# KiCad board current3x3A_Artiq.kicad_pcb (continued)
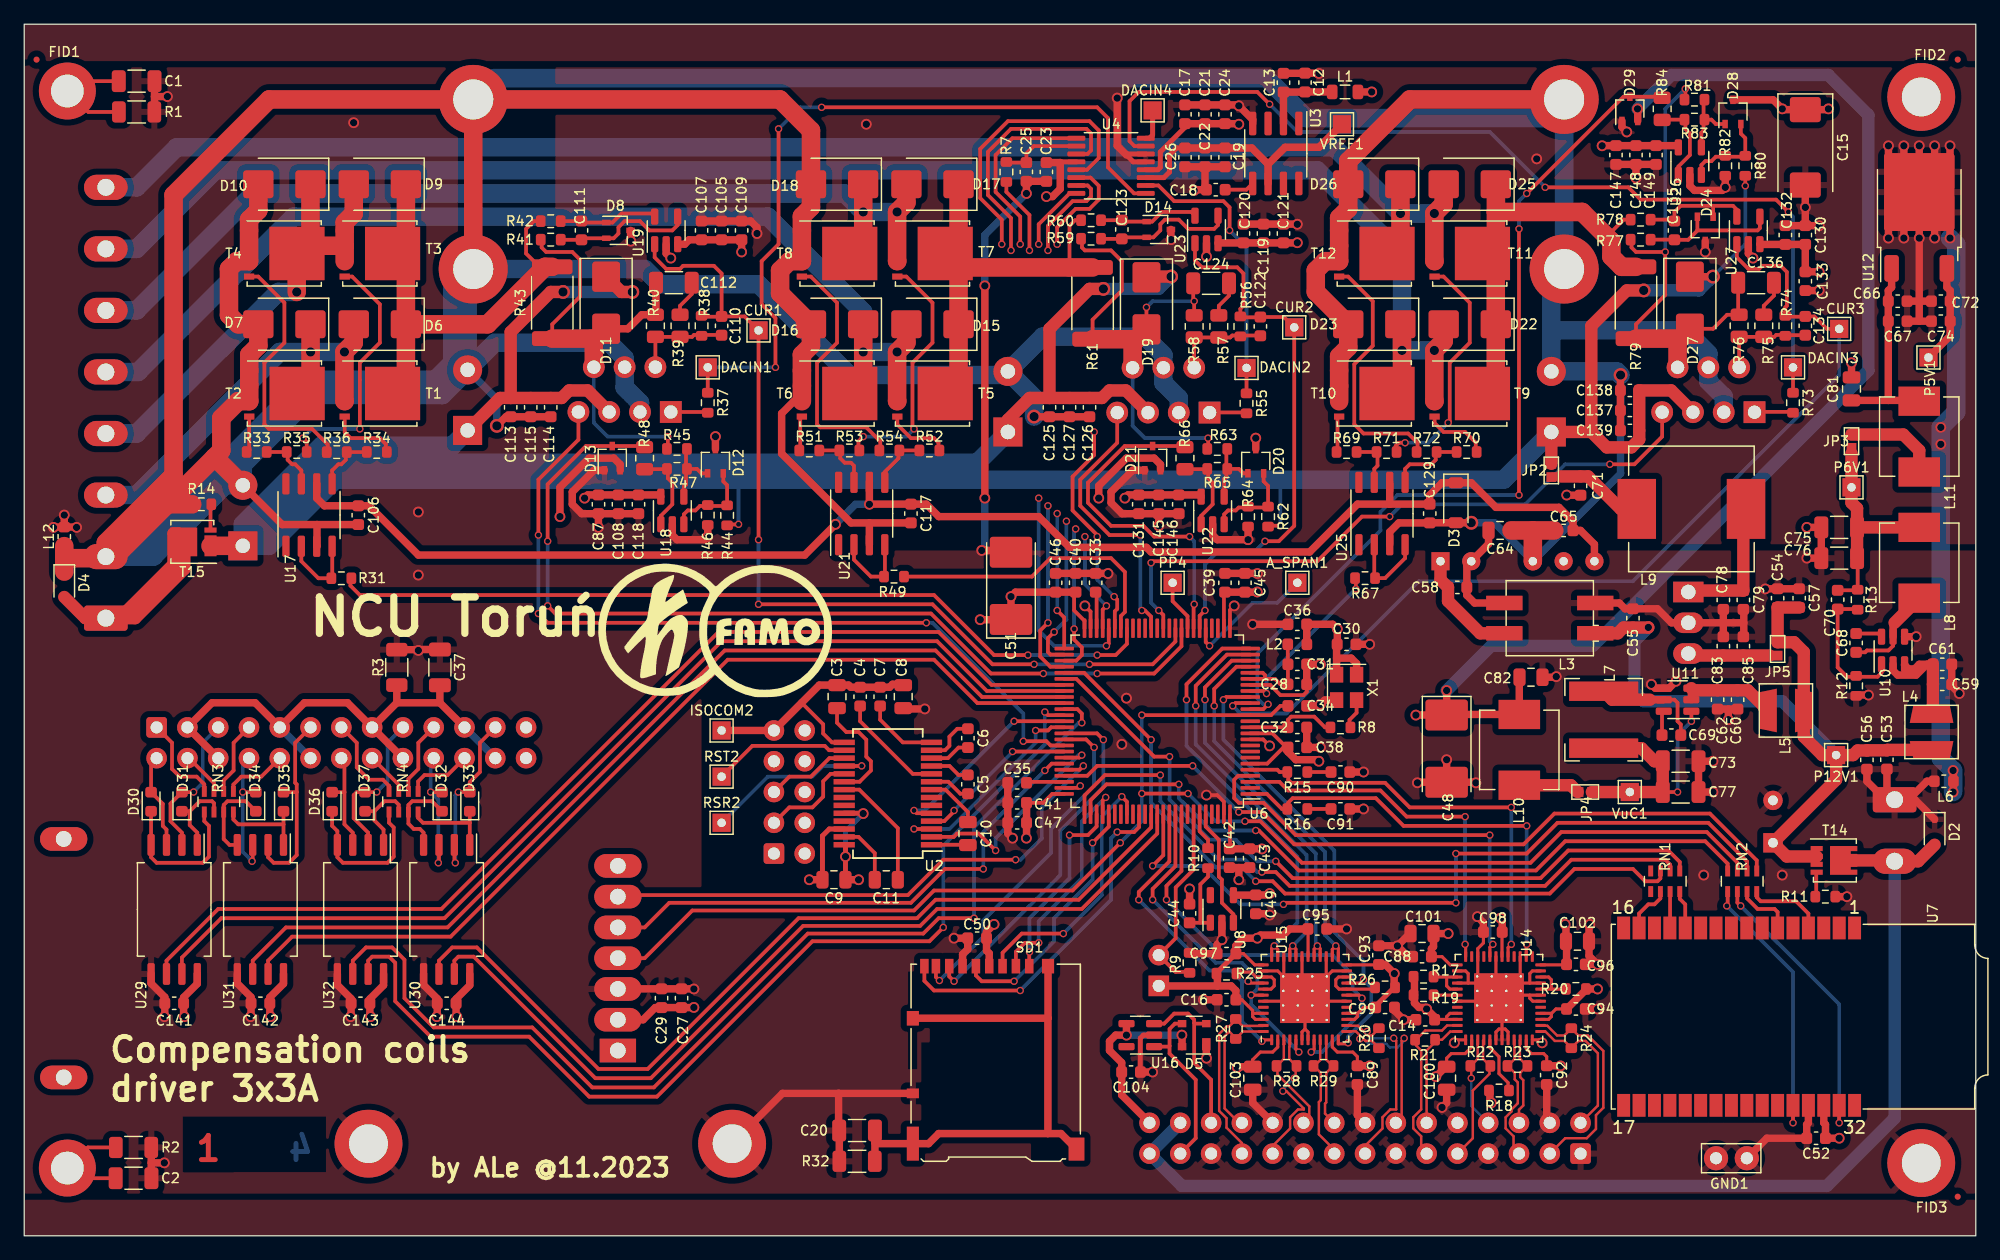
[diagram p0: board, top side]
## Routing (per net, layer and track width the routed paths; a pad name or vN(x,y) marks a point on that pad's centre or on a via; arc(x,y) is an arc through that point) (continued)
/controller+DAC/nucleo_746ZG/SD_D2: length 15.7
  Top w0.305: v2(82.93,23.42) 82.91,23.4 SD1.1 ; U6.78 88.47,33.79 87.76,33.07 v2(86.23,33.07)
  Bottom w0.305: v2(82.93,23.42) 82.93,26.21 86.23,29.52 v2(86.23,33.07)
/controller+DAC/nucleo_746ZG/SD_D3: length 19.2
  Top w0.305: v2(89.22,36.18) 88.97,35.94 U6.79 ; v2(83.69,24.18) 82.55,24.18 81.81,23.44 SD1.2
  Bottom w0.305: v2(83.69,24.18) 83.69,25.96 87.25,29.52 87.25,34.21 v2(89.22,36.18)
/controller+DAC/nucleo_746ZG/SD_DET1: length 28.9
  Top w0.305: v2(90.17,33.33) 91.57,33.33 91.97,33.73 U6.85 ; v2(82.17,20.24) 75.06,20.24 74.26,21.04 SD1.9
  Bottom w0.305: v2(90.17,33.33) 89.66,32.82 89.66,27.74 v2(82.17,20.24)
/controller+DAC/nucleo_746ZG/SHIELD: length 45
  Top w0.61: 84.45,8.44 85.53,8.44 SD1.11 ; 84.45,8.44 84.45,17.95 ; 84.45,8.44 75.44,8.44 74.61,7.6 SD1.11 70.25,7.6 70.18,7.67 ; 70.18,7.67 70.18,6.16 R32.2 ; 70.18,7.67 C20.2 ; SD1.11 84.46,17.97 84.45,17.95 ; 84.45,17.95 SD1.11
/controller+DAC/nucleo_746ZG/STLINK_RX: length 61.8
  Top w0.305: v2(101.6,29.26) 103,29.26 104.01,28.25 125.86,28.25 127.89,30.28 132.72,30.28 133.73,29.26 134.75,29.26 134.98,29.5 134.98,30.11 ; v2(92.96,40.95) 87.44,46.47 U6.55
  Bottom w0.305: v2(92.96,40.95) 92.96,35.74 98.3,30.4 100.46,30.4 v2(101.6,29.26)
/controller+DAC/nucleo_746ZG/STLINK_TX: length 61.8
  Top w0.305: U6.56 86.8,45.97 93.22,39.55 v2(94.49,39.55) ; v2(103.25,30.91) 104.65,29.52 125.09,29.52 127.38,31.8 135.64,31.8 136.58,30.86 136.58,30.11
  Bottom w0.305: v2(94.49,39.55) 94.49,35.99 97.79,32.69 99.95,32.69 101.73,30.91 v2(103.25,30.91)
/controller+DAC/nucleo_746ZG/T_JCLK: length 3
  Top w0.305: RN1.3 135.78,25.42 135.76,25.41
/controller+DAC/nucleo_746ZG/T_JTDI: length 22.8
  Top w0.305: v2(140.46,27.23) 140.53,27.3 RN2.1 ; U7.28 v2(145.92,9.32)
  Bottom w0.305: v2(145.92,9.32) 145.92,21.77 v2(140.46,27.23)
/controller+DAC/nucleo_746ZG/T_JTDO: length 4.9
  Top w0.305: U7.6 144.65,26.72 144.4,26.97 143,26.97 142.13,27.84 RN2.3
/controller+DAC/nucleo_746ZG/T_JTMS: length 6.5
  Top w0.305: U7.4 147.19,26.59 146.18,27.61 143.26,27.61 142.93,27.93 RN2.4
/controller+DAC/nucleo_746ZG/T_NRST: length 24
  Top w0.305: RN2.2 141.33,27.5 v2(141.6,27.23) ; v2(149.73,9.32) U7.31
  Bottom w0.305: v2(141.6,27.23) 149.73,19.1 v2(149.73,9.32)
/controller+DAC/nucleo_746ZG/T_RX: length 4
  Top w0.305: 133.22,25.41 133.22,26.59 133.99,27.36 134.49,27.36 134.98,27.84 RN1.2
/controller+DAC/nucleo_746ZG/T_TX: length 3.2
  Top w0.305: U7.12 137.03,27.36 136.58,27.81 RN1.4
/controller+DAC/nucleo_746ZG/UART4_RX: length 44.2
  Top w0.305: v2(79.12,30.28) 75.95,30.28 73.15,27.48 53.21,27.48 51.18,25.45 U5.5 ; U6.70 84.77,38.97 v2(84.2,38.41)
  Bottom w0.305: v2(84.2,38.41) 79.12,33.33 v2(79.12,30.28)
/controller+DAC/nucleo_746ZG/UART4_TX: length 46.1
  Top w0.305: v2(87.38,38.79) 87.06,38.47 U6.71 ; U5.6 49.1,28.12 72.9,28.12 75.82,31.04 v2(81.79,31.04)
  Bottom w0.305: v2(81.79,31.04) 82.19,31.04 83.95,32.8 83.95,35.36 v2(87.38,38.79)
/controller+DAC/nucleo_746ZG/uC_CLK: length 7.8
  Top w0.305: 101.15,41.97 104.25,41.97 C32.1 104.25,42.58 104.52,42.85 106.43,42.85 107.31,41.96 107.83,41.96
/controller+DAC/nucleo_746ZG/VAREF: length 8.2
  Top w0.305: 102.36,45.97 102.36,46.28 102.17,46.47 101.15,46.47 ; 102.36,45.97 101.15,45.97 ; 102.36,45.97 103.18,45.97 103.63,45.52 C28.2 C31.1 104.24,47.18 L2.1
/controller+DAC/RSR1: length 8.2
  Top w0.305: J2.3 63.12,35.36 65.02,35.36 65.91,36.25 65.91,37.52 66.52,38.12 U2.19
/controller+DAC/RSR2: length 14.9
  Top w0.305: U2.18 69.08,38.77 v2(69.09,38.79)
  Bottom w0.305: v2(69.09,38.79) 65.91,38.79 65.02,37.9 61.34,37.9 RSR2.1
/controller+DAC/RST1: length 7
  Top w0.305: 61.85,36.63 63.12,37.9 64.9,37.9 66.42,39.42 U2.17
/controller+DAC/RST2: length 11.3
  Top w0.305: U2.16 66.4,40.08 66.04,40.44 60.07,40.44 RST2.1
/controller+DAC/RSTSEL: length 44.3
  Top w0.305: U6.45 89.97,51.54 90.17,51.74 90.17,52.5 v2(89.92,52.76) ; v2(85.22,81.84) 85.22,83.24 86.74,84.76 87.88,84.76 88.65,85.52 88.65,86.66 87.97,87.34 86.8,87.34 ; v2(88.52,57.71) 88.52,57.84 86.49,59.87 86.49,62.66 88.27,64.44 v2(88.27,66.34)
  In2.Cu w0.305: v2(88.27,66.34) 88.27,72.44 85.22,75.49 v2(85.22,81.84)
  Bottom w0.305: v2(88.52,57.71) 88.52,54.15 v2(89.92,52.76)
/controller+DAC/RXD1: length 18.5
  Top w0.305: v2(87.25,39.67) 87.04,39.47 U6.69 ; v2(80.14,31.8) 78.74,33.2 76.96,33.2 76.69,32.92 U2.2
  Bottom w0.305: v2(80.14,31.8) 80.14,32.82 87,39.67 v2(87.25,39.67)
/controller+DAC/RXD2: length 17.9
  Top w0.305: U6.64 84.72,41.97 84.45,41.71 v2(83.44,41.71) ; v2(73.41,33.58) 73.41,33.58 U2.3
  Bottom w0.305: v2(83.44,41.71) 83.44,40.69 76.33,33.58 v2(73.41,33.58)
/controller+DAC/TXD1: length 13.4
  Top w0.305: v2(76.71,35.1) 76.71,35.03 75.91,34.22 U2.4 ; v2(81.53,39.97) U6.68
  Bottom w0.305: v2(81.53,39.97) 81.53,39.93 v2(76.71,35.1)
/controller+DAC/TXD2: length 17
  Top w0.305: v2(73.41,35.1) 73.63,34.88 U2.5 ; v2(81.66,42.47) U6.63
  Bottom w0.305: v2(73.41,35.1) 74.3,35.1 v2(81.66,42.47)
/controller+DAC/U3pV: length 6.6
  Top w0.61: L1.2 C12.1 105.65,94.4 C13.1 103.89,94.4 U3.2
/controller+DAC/VREF: length 21.5
  Top w0.406: C26.1 95.07,89.79 94.49,89.2 94.49,87.81 94.02,87.34 92.52,87.34
  Top w0.61: C26.1 C19.1 101.27,89.79 102.62,88.44 ; 102.62,88.44 104.01,89.84 106.81,89.84 VREF1.1 ; 102.62,88.44 102.62,86.86
/controller+DAC/~{ENABLE}: length 41.9
  Top w0.305: U4.15 87.73,86.69 88.01,86.41 88.01,85.78 87.63,85.39 86.49,85.39 84.45,83.36 v2(84.45,81.33) ; U6.47 88.97,51.69 v2(89.28,51.99)
  In2.Cu w0.305: v2(84.45,81.33) 84.45,75.36 87.5,72.31 v2(87.5,57.71)
  Bottom w0.305: v2(89.28,51.99) 87.5,53.77 v2(87.5,57.71)
/controller+DAC/~{SYNC}: length 50.6
  Top w0.305: U6.51 85.8,51.03 v2(85.22,51.61) ; U4.9 81.52,90.59 80.14,89.2 80.14,86.16 82.17,84.12 v2(82.17,81.84)
  In2.Cu w0.305: v2(85.22,59.61) 85.6,59.99 85.6,71.55 82.17,74.98 v2(82.17,81.84)
  Bottom w0.305: v2(85.22,51.61) v2(85.22,59.61)
/CUR1: length 77
  Top w0.305: v2(60.58,57.45) CUR1.1 59.42,75.88 C110.2 ; U19.1 52.01,80.76 52.96,79.81 54.1,79.81 54.36,80.06 56.9,80.06 57.53,79.43 C110.2 ; v2(87.88,47.17) 93.09,47.17 94.97,49.05 U6.35 ; C110.2 57.51,75.86 55.88,75.86 ; v2(60.58,52.12) 74.93,52.12 79.88,47.17 v2(83.31,47.17)
  Bottom w0.305: v2(83.31,47.17) v2(87.88,47.17) ; v2(60.58,57.45) v2(60.58,52.12)
/CUR2: length 44.9
  Top w0.305: U23.1 96.59,80.5 97.16,79.93 100.08,79.93 100.58,79.43 100.58,76.76 100.33,76.5 100.33,75.81 101.96,75.81 C122.2 103.92,75.83 CUR2.1 104.78,58.6 103.5,57.33 v2(102.36,57.33) ; v2(97.41,51.61) 96.97,51.18 U6.31
  Bottom w0.305: v2(102.36,57.33) 101.47,56.44 98.42,56.44 97.41,55.42 v2(97.41,51.61)
/CUR3: length 81.8
  Top w0.305: v2(99.69,43.74) 99.92,43.97 101.15,43.97 ; U27.1 141.29,80.76 142.24,79.81 143.13,79.81 143.38,80.06 144.91,80.06 145.41,79.55 145.41,76.76 145.29,76.63 145.29,75.86 146.91,75.86 C134.2 147.69,75.88 148.72,74.85 CUR3.1
  Bottom w0.305: CUR3.1 149.73,71.04 132.72,54.03 115.06,54.03 104.14,43.1 100.33,43.1 v2(99.69,43.74)
/DAC1: length 64.8
  Top w0.305: v2(61.98,71.68) 61.98,75.74 60.83,76.89 60.83,80.44 62.23,81.84 v2(62.23,91.36) ; 56.39,69.51 DACIN1.1 ; U4.1 91.56,86.04 89.41,88.19 89.41,92.25 88.52,93.14 v2(65.79,93.14)
  Bottom w0.305: v2(61.98,71.68) DACIN1.1 ; v2(65.79,93.14) 64.01,93.14 v2(62.23,91.36)
/DAC2: length 23.7
  Top w0.305: v2(99.44,82.98) 99.44,84.89 98.93,85.39 94.87,85.39 93.57,86.69 U4.2 ; 100.84,69.46 DACIN2.1
  Bottom w0.305: DACIN2.1 100.84,81.59 v2(99.44,82.98)
/DAC3: length 78.7
  Top w0.305: v2(125.48,86.54) 132.33,86.54 133.35,85.52 144.53,85.52 v2(145.54,84.51) ; U4.7 91.59,89.94 91.19,90.35 91.19,93.65 91.95,94.41 101.73,94.41 v2(102.74,93.4) ; 145.92,69.51 DACIN3.1
  Bottom w0.305: DACIN3.1 145.92,84.12 v2(145.54,84.51) ; v2(102.74,93.4) 105.03,91.11 120.9,91.11 v2(125.48,86.54)
/digital_inputs/IDC_N0: length 7.9
  Top w0.305: 11.74,32.26 11.74,33.53 11.43,33.83 11.43,35.65 D30.2 10.47,38.97 J6.2
/digital_inputs/IDC_N1: length 12.3
  Top w0.305: 13.01,32.26 13.01,33.27 12.06,34.21 12.06,35.67 D31.2 13.96,36.61 v2(13.97,36.63)
  Bottom w0.305: J6.5 14.73,40.69 14.73,37.39 v2(13.97,36.63)
/digital_inputs/IDC_N2: length 11.5
  Top w0.305: v2(18.03,36.63) 18.05,36.61 D34.2 ; v2(18.8,30.91) 18.85,30.96 18.85,32.26
  Bottom w0.305: v2(18.8,30.91) 18.03,31.67 v2(18.03,36.63) 18.03,38.91 J6.8
/digital_inputs/IDC_N3: length 16
  Top w0.305: 20.12,32.26 20.12,31.24 20.57,30.78 21.84,30.78 22.48,31.42 22.48,36.63 ; 22.48,36.63 22.48,37.26 22.35,37.39 22.35,40.69 J6.11 ; 22.48,36.63 22.47,36.61 D35.2
/digital_inputs/IDC_N4: length 8.6
  Top w0.305: J6.14 26.42,39.17 26.42,36.61 ; 26.42,36.61 26.42,33.96 27.1,33.27 27.1,32.26 ; 26.42,36.61 D36.2
/digital_inputs/IDC_N5: length 12.8
  Top w0.305: v2(29.08,36.63) 29.07,36.61 D37.2 27.42,36.61 27.18,36.37 27.18,34.47 28.37,33.27 28.37,32.26
  Bottom w0.305: v2(29.08,36.63) 29.97,37.52 29.97,40.69 J6.17
/digital_inputs/IDC_N6: length 11.4
  Top w0.305: D32.2 33.54,36.61 v2(33.53,36.63) ; 34.22,32.26 34.22,30.84 v2(34.16,30.78)
  Bottom w0.305: v2(34.16,30.78) 34.16,35.99 v2(33.53,36.63) 33.53,39.17 J6.20
/digital_inputs/IDC_N7: length 14.6
  Top w0.305: v2(35.56,30.78) 35.48,30.86 35.48,32.26 ; v2(35.81,36.63) 36.74,36.63 D33.2 36.76,37.44 37.59,38.28 37.59,40.69 J6.23
  Bottom w0.305: v2(35.56,30.78) 35.56,36.37 v2(35.81,36.63)
/digital_inputs/IDC_P2: length 7.3
  Top w0.305: D34.1 18.28,35.86 16.76,35.86 16.45,35.56 RN3.7 16.45,32.75 16.94,32.26 17.58,32.26
/digital_inputs/IDC_P3: length 7.7
  Top w0.305: 21.39,32.26 21.39,33.96 ; 21.39,33.96 17.65,33.96 17.25,34.36 RN3.8 ; 21.39,33.96 D35.1
/digital_inputs/IDC_P4: length 12.9
  Top w0.305: RN4.5 30.09,34.09 30.48,33.71 30.48,31.29 29.97,30.78 26.29,30.78 25.83,31.24 25.83,33.4 25.4,33.83 D36.1
/digital_inputs/IDC_P5: length 6.9
  Top w0.305: 28.89,35.04 D37.1 ; 28.89,35.04 28.89,34.28 29.64,33.53 29.64,32.26 ; 28.89,35.04 29.72,35.86 30.61,35.86 30.89,35.58 RN4.6
/digital_inputs/IDC_P6: length 7.4
  Top w0.305: D32.1 33.64,35.86 32,35.86 31.69,35.56 RN4.7 31.69,34.02 32.13,33.58 32.64,33.58 32.95,33.27 32.95,32.26
/digital_inputs/IDC_P7: length 7.7
  Top w0.305: RN4.8 32.49,34.49 32.89,34.09 36.76,34.09 ; 36.76,34.09 36.76,32.26 ; 36.76,34.09 D33.1
/DIR1: length 68.7
  Top w0.305: 26.91,54.27 26.91,53.66 27.69,52.88 75.06,52.88 80.01,47.93 v2(82.8,47.93) ; U6.43 90.97,48.86 90.04,47.93 v2(88.52,47.93)
  Bottom w0.305: v2(82.8,47.93) v2(88.52,47.93)
/DIR2: length 24.2
  Top w0.305: 72.5,54.41 83.14,54.41 84.66,55.93 89.66,55.93 90.81,54.79 90.81,51.49 90.47,51.15 U6.44
/DIR3: length 14
  Top w0.305: R67.2 109.86,54.22 v2(109.86,53.39) ; 101.15,44.97 102.28,44.97 v2(102.49,44.76)
  Bottom w0.305: v2(102.49,44.76) 102.49,46.02 v2(109.86,53.39)
/ES1: length 67.2
  Top w0.305: U20.7 45.72,65.71 42.42,62.41 v2(42.42,57.84) ; v2(42.42,51.36) 43.18,50.6 v2(74.42,50.6) ; v2(82.42,40.82) 84.33,40.82 84.68,40.47 U6.67
  Bottom w0.305: v2(82.42,40.82) 82.42,43.1 74.93,50.6 v2(74.42,50.6) ; v2(42.42,57.84) v2(42.42,51.36)
/ES2: length 23.1
  Top w0.305: 92.96,50.15 92.96,51.1 92.46,51.61 v2(92.2,51.61) ; v2(92.08,57.84) 89.53,57.84 87.12,60.25 87.12,62.41 90.17,65.46 U24.7
  Bottom w0.305: v2(92.2,51.61) 92.08,51.74 v2(92.08,57.84)
/ES3: length 54.3
  Top w0.305: v2(92.96,55.55) 93.09,55.68 106.68,55.68 110.36,59.36 v2(112.65,59.36) ; U28.7 135.13,65.96 132.84,63.68 v2(130.81,63.68) ; U6.37 93.97,51.24 v2(93.6,51.61)
  Bottom w0.305: v2(92.96,55.55) 92.96,52.25 v2(93.6,51.61) ; v2(130.81,63.68) 127.13,63.68 123.83,60.38 113.67,60.38 v2(112.65,59.36)
/Kasli interface/I2C_SCL: length 14.2
  Top w0.305: D5.3 94.93,17.51 94.49,17.07 94.49,15.67 ; 94.49,15.67 94.49,15.04 96.65,12.88 96.65,8.05 J5.27 ; 94.49,15.67 94.43,15.61 U16.1
/Kasli interface/I2C_SDA: length 14
  Top w0.305: 96.52,17.58 96.52,17.83 96.01,18.34 94.87,18.34 94.04,17.51 U16.3 ; 96.52,17.58 96.52,14.28 97.92,12.88 J5.26 ; 96.52,17.58 96.59,17.51 D5.2
/Kasli interface/LVDS0_N: length 17.8
  Top w0.2: U14.14 125.13,17.33 125.66,17.33 126.46,16.53 127.06,16.53 127.58,17.06 127.69,17.06 128.21,16.53 129,16.53 130.27,15.26 130.27,10.56 129.67,9.96 129.67,8.81 128.91,8.05 127.13,8.05 J5.3
/Kasli interface/LVDS0_P: length 14.8
  Top w0.2: U14.13 125.13,16.88 125.47,16.88 126.27,16.08 127.06,16.08 127.58,15.56 127.69,15.56 128.21,16.08 128.81,16.08 129.82,15.07 129.82,10.75 128.67,9.59 127.74,9.59 128.13,9.97 128.67,9.97 128.86,9.78 J5.2
/Kasli interface/LVDS1_N: length 7.6
  Top w0.2: J5.6 123.32,10.4 123.67,10.75 123.67,12.84 123.42,13.1 123.42,13.45 123.94,13.97 123.94,14.07 123.39,14.62 123.39,16.15 U14.10
/Kasli interface/LVDS1_P: length 10.8
  Top w0.2: U14.9 122.94,16.15 122.94,14.57 122.44,14.07 122.44,13.97 122.97,13.45 122.97,12.91 123.22,12.66 123.22,10.94 122.7,10.42 122.7,10.26 122.21,9.78 122.21,8.87 122.87,8.21 122.87,7.23 J5.5
/Kasli interface/LVDS2_N: length 10.7
  Top w0.2: J5.9 119.51,8.05 119.51,11.99 120.88,13.36 120.88,14.07 120.36,14.6 120.36,16.11 U14.4
/Kasli interface/LVDS2_P: length 7.7
  Top w0.2: U14.3 119.91,16.18 119.91,14.6 119.38,14.07 v2(119.38,13)
  Bottom w0.2: J5.8 119.38,10.72 v2(119.38,13)
/Kasli interface/LVDS3_N: length 9.3
  Top w0.2: J5.12 115.7,15.29 116.32,15.91 116.32,16.18 116.97,16.18 117.65,16.86 U14.48
/Kasli interface/LVDS3_P: length 14.2
  Top w0.2: U14.47 117.38,17.36 116.97,16.94 115.58,16.94 114.82,16.18 114.82,15.72 115.25,15.29 115.25,10.43 114.59,9.78 114.59,8.87 115.25,8.21 115.25,7.23 J5.11
/Kasli interface/LVDS4_N: length 16.9
  Top w0.2: 111.76,17.06 111.71,17.06 111.19,16.53 110.84,16.53 110.79,16.58 v2(110.79,16.86) 110.5,16.86 110.04,17.33 109.13,17.33 U15.14 ; J5.15 110.62,7.42 112.05,8.86 112.05,9.78 112.7,10.42 113.19,10.42 113.19,16.1 v2(112.98,16.31)
  Bottom w0.2: v2(112.98,16.31) 111.06,16.31 110.79,16.58 v2(110.79,16.86)
/Kasli interface/LVDS4_P: length 15
  Top w0.2: U15.13 109.13,16.88 109.85,16.88 110.19,16.55 v2(110.19,16.26) 110.48,16.26 110.65,16.08 111.19,16.08 111.71,15.56 111.76,15.56 ; v2(113.84,16.31) 113.64,16.1 113.64,9.8 J5.14
  Bottom w0.2: v2(110.19,16.26) 110.48,16.26 110.88,15.86 112.35,15.86 112.67,15.55 113.3,15.55 113.74,15.99 113.74,16.21 v2(113.84,16.31)
/Kasli interface/LVDS5_N: length 7.6
  Top w0.2: J5.18 107.31,10.08 107.31,10.91 107.41,11.01 107.41,13.45 107.94,13.97 107.94,14.02 107.41,14.55 U15.10
/Kasli interface/LVDS5_P: length 10.4
  Top w0.2: U15.9 106.91,14.5 106.44,14.02 106.44,13.97 106.96,13.45 106.96,11.19 106.81,11.04 106.81,8.37 108.08,7.1 J5.17
/Kasli interface/LVDS6_N: length 12.3
  Top w0.2: v2(104.78,13) 104.89,13.12 104.89,14.07 104.36,14.6 104.36,15.6 104.39,15.62 104.39,16.15 U15.4 ; J5.21 103,7.42 104.43,8.86 104.43,9.78 105.08,10.42 105.57,10.42 105.57,10.5 104.13,11.94 v2(103.84,11.94)
  Bottom w0.2: v2(103.84,11.94) 103.84,12.07 v2(104.78,13)
/Kasli interface/LVDS6_P: length 8.4
  Top w0.2: U15.3 103.94,16.15 103.94,15.81 103.92,15.79 103.92,14.6 103.39,14.07 103.39,13.31 106.02,10.69 106.02,9.8 J5.20
/Kasli interface/LVDS7_N: length 11.7
  Top w0.2: U15.48 100.54,16.86 100,16.32 99.95,16.32 99.42,16.84 99.41,16.84 99.03,16.47 99.03,10.51 100.22,9.32 J5.24
/Kasli interface/LVDS7_P: length 15
  Top w0.2: U15.47 102.19,17.32 100.5,17.32 100,17.82 99.95,17.82 99.42,17.29 99.22,17.29 98.58,16.65 98.58,10.31 99.19,9.7 99.19,8.92 100.46,7.65 J5.23
/Power amplifier 1/G1: length 5.7
  Top w0.305: 29.83,64.69 29.83,65.34 29.34,65.84 26.92,65.84 26.44,66.32 T1.4
/Power amplifier 1/G2: length 21.1
  Top w0.305: v2(22.99,65.84) 23.3,65.52 R35.1 ; T3.4 27.05,79.17 29.34,76.89 29.34,73.71 27.69,72.06 v2(27.69,66.6)
  Bottom w0.305: v2(27.69,66.6) 23.75,66.6 v2(22.99,65.84)
/Power amplifier 1/G3: length 3
  Top w0.305: 18.43,64.69 18.56,64.83 T2.4
/Power amplifier 1/G4: length 21.1
  Top w0.305: 25.03,64.68 25.03,65.32 23.75,66.6 20.19,66.6 19.81,66.98 19.81,72.06 21.46,73.71 21.46,77.01 19.3,79.17 T4.4
/Power amplifier 1/H1G: length 38.9
  Top w0.305: 42.68,83.74 42.04,83.74 41.4,83.11 41.4,81.08 42.5,79.98 R43.2
  Top w1.524: T1.5 31.49,70.62 D6.1 ; D6.1 31.49,79.98 T3.5 31.49,82.18 D9.1 ; D6.1 38.23,75.23 42.97,79.98 R43.2
/Power amplifier 1/OPA1: length 38.2
  Top w0.305: 42.68,82.22 42.68,81.57 43.05,81.2 45.21,81.2 45.85,80.57 45.85,77.52 43.56,75.23 R43.1 ; v2(53.09,65.96) 53.1,65.95 53.1,64.95
  Top w0.61: D11.2 49.79,74.86 50.95,76.02 R40.1 52.12,76.07 C112.1
  Top w1.524: U20.6 46.99,73.84 ; 46.99,73.84 48.01,74.85 D11.2 ; 46.99,73.84 46.78,74.05 R43.1
  Bottom w0.305: v2(53.09,65.96) 48.13,65.96 46.99,67.11 U20.6
/Power amplifier 2/G1: length 5.3
  Top w0.305: T5.4 72.03,66.96 73.15,65.84 75.06,65.84 75.43,65.47 75.43,64.82
/Power amplifier 2/G2: length 20.7
  Top w0.305: T7.4 72.77,79.17 74.93,77.01 74.93,73.71 73.28,72.06 73.28,66.73 v2(73.41,66.6) ; 68.82,64.82 68.82,65.57 v2(69.22,65.96)
  Bottom w0.305: v2(73.41,66.6) 72.77,65.96 v2(69.22,65.96)
/Power amplifier 2/G3: length 2.9
  Top w0.305: 64.02,64.82 64.02,67.48 T6.4
/Power amplifier 2/G4: length 21.1
  Top w0.305: T8.4 64.9,79.17 67.06,77.01 67.06,73.71 65.41,72.06 65.41,66.98 65.66,66.73 69.47,66.73 70.62,65.57 70.62,64.82
/Power amplifier 2/H2G: length 35.9
  Top w0.305: 87.26,83.82 86.69,83.82 86.23,83.36 86.23,79.93
  Top w1.524: T5.5 77.08,70.62 D15.1 77.08,79.98 T7.5 ; T7.5 77.13,79.93 R61.2 ; T7.5 77.08,82.18 D17.1
/Power amplifier 2/OPA2: length 41.3
  Top w0.305: 97.67,64.95 97.67,65.83 v2(97.66,65.84) ; R58.1 v2(96.52,77.14) 96.44,77.22 C124.1 ; R61.1 88.14,75.62 90.55,78.03 90.55,80.44 89.66,81.33 87.5,81.33 87.26,81.57 87.26,82.3 ; v2(92.58,76.63) 92.58,74.81
  Top w1.524: U24.6 91.44,73.67 92.58,74.81 91.77,74 R61.1
  Bottom w0.305: U24.6 91.44,66.85 92.46,65.84 v2(97.66,65.84) ; v2(96.52,77.14) 93.09,77.14 v2(92.58,76.63)
/Power amplifier 3/G1: length 5.4
  Top w0.305: 119.75,64.69 119.75,65.47 118.87,66.34 117.09,66.34 116.35,67.09 T9.4
/Power amplifier 3/G2: length 20.1
  Top w0.305: 113.14,64.69 113.14,65.19 113.41,65.46 v2(113.92,65.46) ; T11.4 117.09,79.17 119.25,77.01 119.25,73.71 117.6,72.06 117.6,67.23 v2(117.47,67.11)
  Bottom w0.305: v2(117.47,67.11) 115.82,65.46 v2(113.92,65.46)
/Power amplifier 3/G3: length 3
  Top w0.305: T10.4 108.34,67.48 108.34,64.69
/Power amplifier 3/G4: length 21
  Top w0.305: 114.95,64.69 114.95,65.44 114.17,66.22 110.49,66.22 109.73,66.98 109.73,71.93 111.25,73.46 111.25,77.14 109.22,79.17 T12.4
/Power amplifier 3/H3G: length 35.4
  Top w0.305: 132.6,83.87 131.95,83.87 130.56,82.47
  Top w1.524: R79.2 131.78,79.98 130.94,80.82 130.94,82.09 128.52,84.51 121.41,84.51 ; T9.5 121.4,70.62 D22.1 121.4,79.98 T11.5 121.41,82.19 121.41,84.51 ; 121.41,84.51 121.41,86.78 D25.1
/Power amplifier 3/OPA3: length 42.4
  Top w0.305: R79.1 132.97,75.23 135.38,77.65 v2(135.38,81.2) 132.97,81.2 132.6,81.57 132.6,82.22 ; C136.1 141.4,76.1 R76.1 140.49,76.02 139.33,74.86 D27.2 ; 137.04,93.78 137.04,94.65 v2(137.03,94.67)
  Top w1.524: U28.6 136.4,73.85 D27.2 136.6,74.05 R79.1
  Bottom w0.305: v2(137.03,94.67) 135.38,93.02 v2(135.38,81.2)
/Power grid/P15_pom1: length 8.2
  Top w0.61: JP2.1 126.04,62.67 126.76,62.67
  Top w1.016: 126.76,62.67 C71.1 129.02,62.67 131.7,59.99 L9.2
/Power grid/P15_pom2: length 11.4
  Top w1.016: U13.1 137.4,53.25 C78.1 C79.1 141.83,59.77 L9.1
/Power grid/sw_out: length 22.1
  Top w0.305: C77.1 v2(136.4,36.63) ; v2(137.54,42.47) 137.54,43.29 U11.1
  Top w1.016: L7.1 133.41,40.25 134.49,39.17 C73.1 C77.1 VuC1.1 JP4.2
  Bottom w0.305: v2(136.4,36.63) 136.4,41.33 v2(137.54,42.47)
/Power grid/sw_out1: length 18.8
  Top w0.305: C76.1 151.26,55.88 151.26,53.25 151.23,53.28 C70.1
  Top w0.61: 150.75,64.57 JP3.2
  Top w1.016: C75.1 151.21,60.04 150.75,60.5 P6V1.1 150.75,64.57 ; C75.1 L8.1 ; C75.1 C76.1
/Power grid/switch: length 9.3
  Top w0.305: C69.1 136.66,42.2 136.4,42.47 136.4,43.99 136.14,44.25 U11.5
  Top w0.61: U11.5 134.11,44.25
  Top w1.016: L7.2 131,44.25 134.11,44.25
/Power grid/switch1: length 8.1
  Top w0.305: C68.1 151.87,48.16 152.02,48.31 153.8,48.31 154.18,48.69 U10.5
  Top w0.61: 154.31,50.6 154.18,50.47 U10.5
  Top w1.016: L8.2 154.31,50.6
/SPAN1: length 76.4
  Top w0.305: v2(88.52,46.41) 93.22,46.41 95.47,48.66 U6.34 ; v2(84.07,46.41) 79.76,46.41 74.8,51.36 43.81,51.36 v2(43.18,51.99) ; R48.2 51.09,65.19 D13.3 46.34,65.19 43.18,62.03 v2(43.18,57.33)
  Bottom w0.305: v2(43.18,57.33) v2(43.18,51.99) ; v2(84.07,46.41) v2(88.52,46.41)
/SPAN2: length 28.2
  Top w0.305: R66.2 95.67,65.19 D21.3 90.79,65.19 87.76,62.15 87.76,60.5 89.66,58.6 92.33,58.6 93.22,57.71 v2(96.14,57.71) ; v2(96.52,52.12) 96.47,52.07 U6.32
  Bottom w0.305: v2(96.14,57.71) 96.52,57.33 v2(96.52,52.12)
/SPAN3: length 74
  Top w0.305: v2(123.95,86.03) 131.94,94.02 D29.3 135.04,94.02 R84.2 ; v2(102.62,43.87) 102.22,43.47 101.15,43.47 ; v2(123.32,83.11) v2(123.32,61.14)
  Bottom w0.305: v2(123.95,86.03) 123.32,85.39 v2(123.32,83.11) ; v2(102.62,43.87) 102.23,43.87 101.73,44.37 101.73,48.06 111.89,58.22 111.89,59.74 113.28,61.14 v2(123.32,61.14)
DAT4: length 31.1
  Top w0.254: U15.26 107.91,23.64 v2(108.2,23.93) 108.41,23.72 U15.25
  Top w0.305: v2(98.17,43.74) 98.17,45.14 100,46.97 101.15,46.97
  Bottom w0.305: v2(108.2,23.93) 107.31,24.82 107.31,31.67 98.17,40.82 v2(98.17,43.74)
DAT4_OUT: length 39.1
  Top w0.254: v2(110.49,21.13) 110.22,20.86 U15.21 ; v2(109.22,15.93) 109.14,15.84 108.41,15.84 U15.12
  Top w0.305: v2(98.93,44.25) 99.16,44.47 101.15,44.47
  Bottom w0.305: v2(98.93,44.25) 98.93,40.95 108.08,31.8 108.08,25.07 110.49,22.66 v2(110.49,21.13) 111.12,20.5 111.12,18.34 109.22,16.43 v2(109.22,15.93)
DAT5: length 31.8
  Top w0.254: U15.29 106.41,23.66 v2(106.68,23.93) 106.91,23.69 U15.28
  Top w0.305: v2(97.41,44.25) 97.41,45.26 99.61,47.47 101.15,47.47
  Bottom w0.305: v2(97.41,44.25) 97.41,40.69 106.55,31.55 106.55,24.05 v2(106.68,23.93)
DAT5_OUT: length 36.9
  Top w0.254: U15.19 110.11,19.86 v2(110.36,19.61) ; v2(106.17,15.16) 106.41,15.41 U15.8
  Top w0.305: v2(94.23,27.74) 94.23,28.88 95.47,30.12 U6.92
  Bottom w0.305: v2(106.17,15.16) 107.06,15.16 110.36,18.47 v2(110.36,19.61) 109.6,20.37 109.6,21.51 107.95,23.17 98.81,23.17 v2(94.23,27.74)
DAT6: length 33.3
  Top w0.254: U15.33 104.41,23.69 v2(104.65,23.93) 104.91,23.66 U15.32
  Top w0.305: v2(96.65,43.74) 96.65,45.39 99.23,47.97 101.15,47.97
  Bottom w0.305: v2(104.65,23.93) 105.79,25.07 105.79,31.42 96.65,40.56 v2(96.65,43.74)
DAT6_OUT: length 29.2
  Top w0.254: v2(101.22,19.86) 101.22,19.86 U15.42 ; U15.5 104.91,15.41 v2(105.16,15.16)
  Top w0.305: v2(93.09,27.74) 93.09,28.63 94.97,30.51 U6.91
  Bottom w0.305: v2(93.09,27.74) 98.3,22.53 100.46,22.53 101.73,21.26 101.73,20.37 v2(101.22,19.86) 101.22,19.1 v2(105.16,15.16)
DAT7: length 34.6
  Top w0.254: U15.36 102.91,23.72 v2(103.12,23.93) 103.41,23.64 U15.35
  Top w0.305: 101.15,48.47 98.84,48.47 95.89,45.52 v2(95.89,44.25)
  Bottom w0.305: v2(95.89,44.25) 95.89,40.44 105.03,31.29 105.03,25.83 v2(103.12,23.93)
DAT7_OUT: length 27.7
  Top w0.254: U15.1 102.23,16.17 v2(102.11,16.05) ; v2(100.97,21.01) 101.11,20.86 U15.40
  Top w0.305: v2(91.95,27.74) 91.95,28.37 94.47,30.9 U6.90
  Bottom w0.305: 100.46,21.01 99.57,21.89 97.79,21.89 v2(91.95,27.74) ; 100.46,21.01 100.46,17.7 v2(102.11,16.05) ; 100.46,21.01 v2(100.97,21.01)
J4_1: length 26
  Top w1.016: J1.1 9.14,50.98 13.21,55.04 13.21,57.07 T15.5 12.72,57.96 12.32,57.96 12.32,55.42 7.87,50.98 J1.1 ; J1.1 5.05,50.98 D4.2
J4_2: length 638.3
  Top w0.61: v3(83.31,67.62) 83.33,67.6 C125.2 C127.2 C126.2 ; C106.2 24.15,58.7 ; 24.15,58.7 24.15,56.93 U17.3 ; 24.15,58.7 21.28,58.7 C80.2 ; 112.65,57.04 112.65,58.09 113.4,58.84 C129.2 115.97,58.85 D3.2 v3(119.38,58.85) ; 69.72,57.04 69.72,58.83 69.74,58.84 ; 69.74,58.84 C117.2 ; 69.74,58.84 68.21,58.84 62.48,64.57 62.48,67.87 63.5,68.89 T6.3 ; v3(131.7,71.04) 131.69,71.03 C138.2 C137.2 C139.2 ; C114.2 C113.2 39.74,67.6 v3(38.99,66.85)
  Top w1.524: 11.81,60.38 15.68,64.25 ; 11.81,60.38 13.86,60.38 ; 11.81,60.38 7.49,56.06 J1.2 ; 15.68,64.25 15.73,64.25 C80.2 ; 15.68,64.25 16.26,64.82 16.26,67.49 17.65,68.89 T2.3 T2.2 T2.1 18.56,72.72 19.31,73.47 19.31,75.23 17.65,75.23 16.89,76 16.89,79.81 17.53,80.44 T4.3 T4.1 18.55,83.88 19.31,84.64 19.31,86.79 ; HS1.1 114.31,93.79 109.23,88.71 D26.2 109.23,84.77 108.48,84.02 T12.1 T12.2 T12.3 107.31,80.44 106.55,79.68 106.55,77.91 D23.2 109.23,73.34 108.48,72.59 T10.1 T10.2 T10.3 ; 3.3,55.93 D4.1 ; 3.3,55.93 L12.2 ; 3.3,55.93 6.6,55.93 J1.2 ; HS1.1 20.21,93.79 12.32,85.9 12.32,62.79 6.73,57.2 J1.2 ; HS1.1 HS1.1 ; HS1.1 62.34,93.79 64.91,91.23 D18.2 64.91,84.9 64.16,84.15 T8.1 T8.3 63.12,80.44 62.36,79.68 62.36,77.78 D16.2 64.91,73.47 64.16,72.72 T6.1 T6.2 T6.3 ; U9.4 124.46,58.22 ; 124.46,58.22 C65.2 ; 124.46,58.22 C64.1
  Bottom w0.61: v3(131.7,71.04) 131.7,62.92 U9.4 121.28,58.85 v3(119.38,58.85) ; C116.2 38.99,69.06 v3(38.99,66.85)
  Bottom w1.524: 16.32,63.61 23.37,70.66 33.91,70.66 35.31,72.06 35.31,78.06 HS1.1 ; 16.32,63.61 10.16,57.45 8.13,57.45 J1.2 10.67,56.06 16.56,61.95 C80.2 ; 16.32,63.61 16.37,63.61 C80.2 ; HS1.1 38.8,95.56 102.49,95.56 105.79,92.25 125.5,92.25 HS1.1 HS1.1 125.98,78.73 125.98,74.73 ; 125.98,74.73 137.03,74.73 138.94,72.82 U28.4 138.94,70.54 140.21,69.27 U28.3 ; 125.98,74.73 C140.2 131.4,71.34 v3(131.7,71.04) ; C116.2 36.58,79.33 HS1.1 ; C116.2 38.81,73.71 48.26,73.71 49.53,72.44 U20.4 49.53,70.03 50.8,68.76 U20.3 ; C116.2 34.5,69.39 23.78,69.39 18.03,63.64 C80.2 ; v3(83.31,67.62) 83.31,69.19 C128.2 ; HS1.1 51.2,79.79 52.45,78.54 60.58,78.54 68.07,71.04 80.85,71.04 C128.2 ; C128.2 84.03,74.22 92.46,74.22 93.98,72.69 U24.4 93.98,70.41 95.25,69.14 U24.3
